# Altium PCB 400236.PcbDoc (part 4 of 5)
Units mm, origin at the board's own origin, x right, y up, seen from the top; angles counter-clockwise.
Board outline 136.53 x 63.5 mm, 4 copper layers (Top Layer, Mid-Layer 1, Mid-Layer 2, Bottom Layer), stack 1.505 mm thick; 340 components, 230 nets, 1369 pads, 1292 vias.
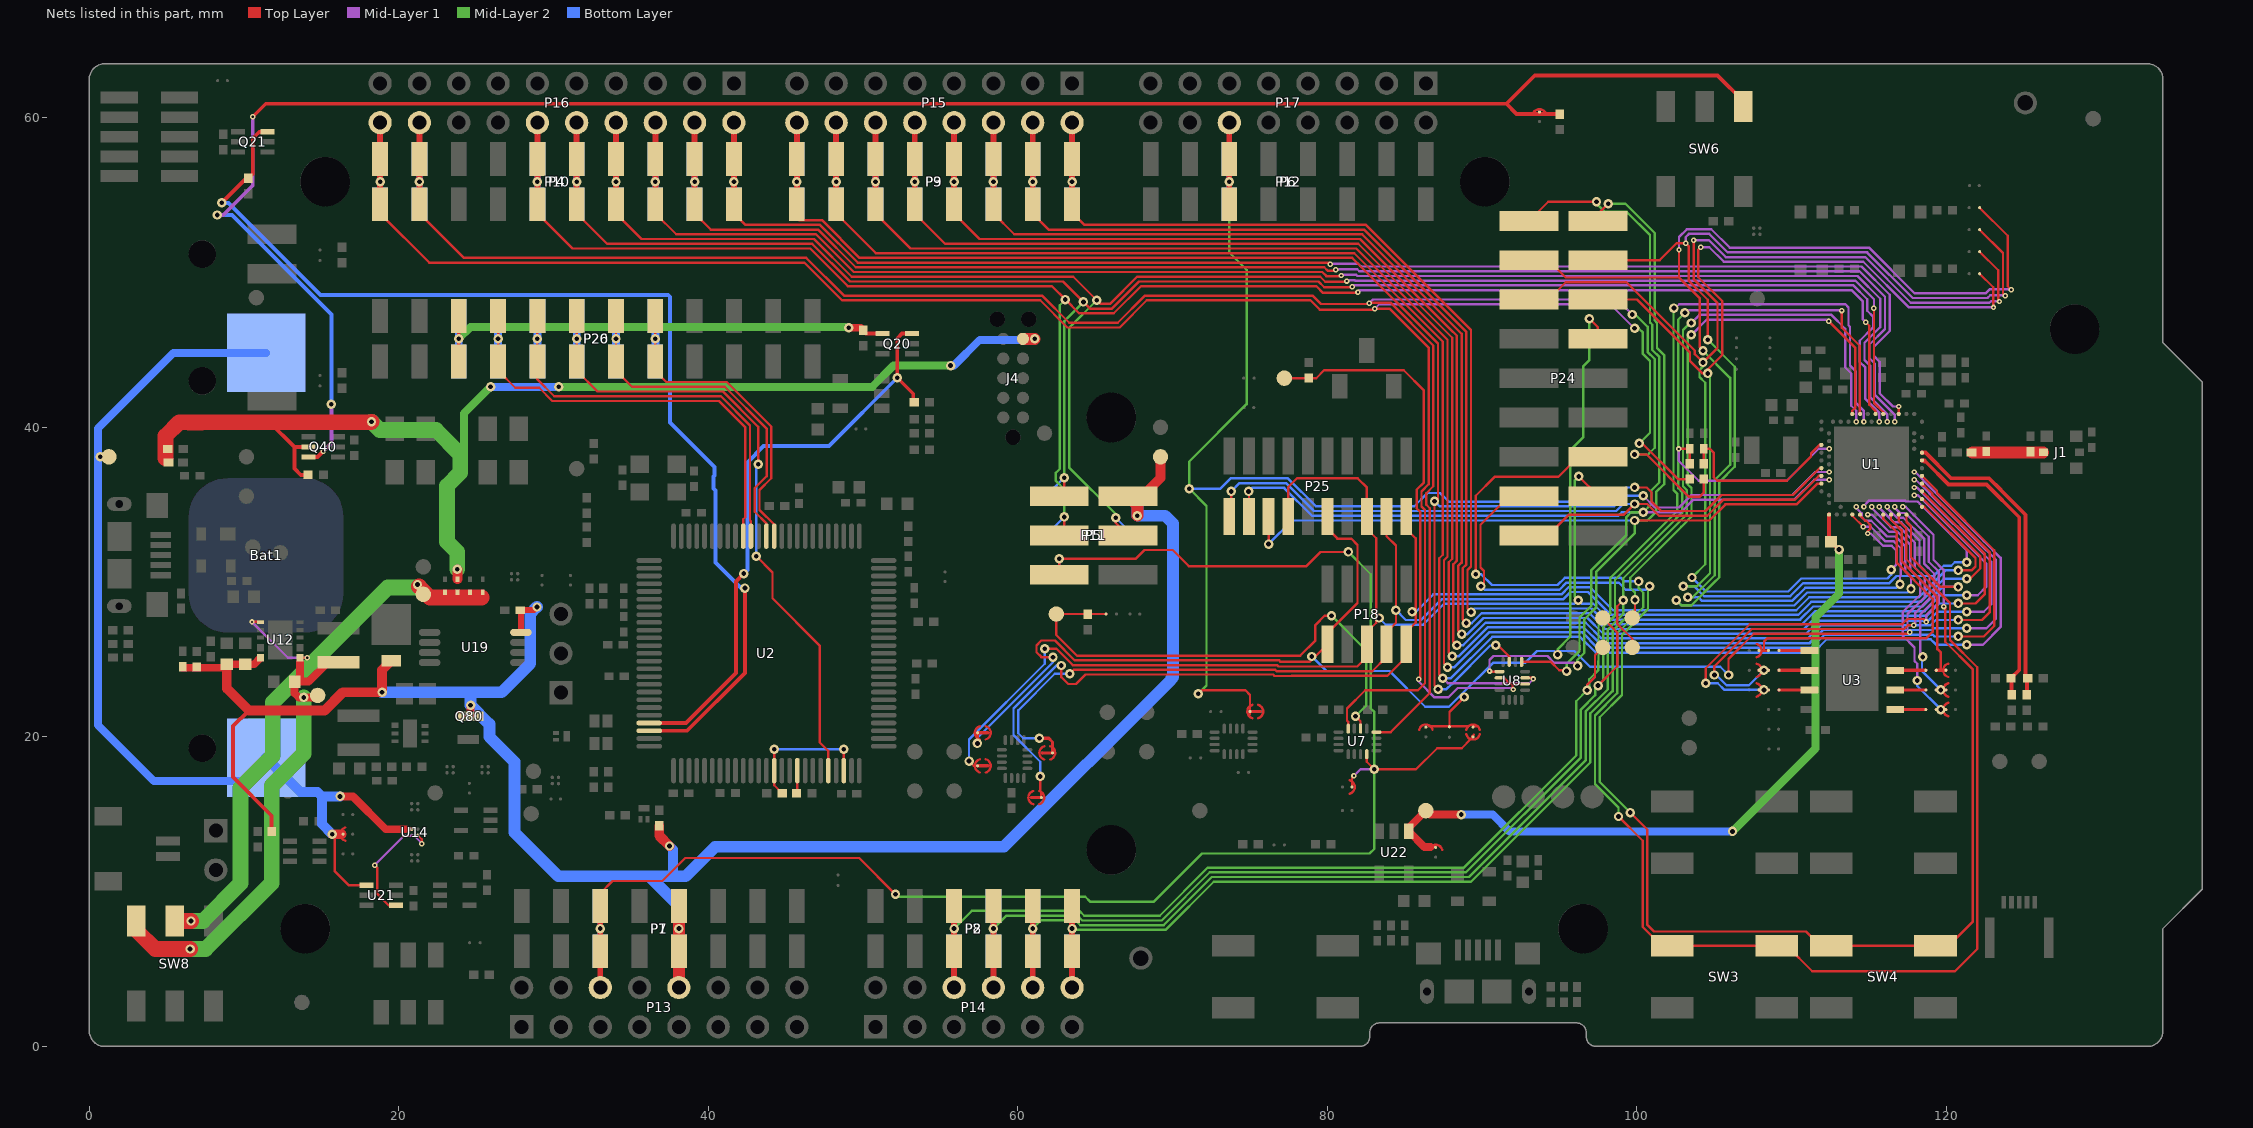
[diagram p6: the nets of this part, all layers, seen from the top]

## Via types
v1: diameter 0.61, hole 0.305, Top Layer to Bottom Layer, tented both sides, 1088 vias
v2: diameter 0.35, hole 0.15, Top Layer to Mid-Layer 1, tented both sides, 180 vias
v3: diameter 0.61, hole 0.305, Top Layer to Bottom Layer, 24 vias

## Nets (pads, with @x,y where several pads share a name; then routed paths per layer and width w, separated by ;. In a path a pad name is that pad's centre, name@x,y a point inside that pad or via, vN(x,y) a via of type N, cw(c..) or ccw(c..) an arc to the next point about the centre after c; other vN are vias at no path point) (continued)
P0.08: P6.6 P12.6 P17.12 SB52.1 U1.N1 | length 93.5
  Top Layer w0.15: 110.082,35.636 111.814,37.367 U1.N1@111.914,37.367
  Top Layer w0.152: v1(71.653,22.784) 71.884,23.014 74.7,23.014 74.999,22.716 74.999,21.463 ; v1(99.847,36.119) 100.627,36.119 100.94,35.806 100.94,35.204 101.548,34.595 104.42,34.595 105.462,35.636 110.082,35.636
  Top Layer w0.381: P6.6@73.66,54.712 v1(73.66,55.88) P6.6@73.66,57.345 P17.12@73.66,59.69
  Mid-Layer 2 w0.152: v1(71.653,22.784) 72.187,23.317 72.187,34.925 v1(71.069,36.043) 71.069,37.794 74.778,41.503 74.778,50.19 73.66,51.308 v1(73.66,55.88)
  Bottom Layer w0.152: v1(71.069,36.043) 73.083,36.043 73.744,36.703 77.452,36.703 79.256,34.9 85.606,34.9 86.469,35.763 87.277,35.763 87.835,35.204 98.405,35.204 99.319,36.119 v1(99.847,36.119)
  Bottom Layer w0.381: P12.6@73.66,54.415 v1(73.66,55.88) P12.6@73.66,57.345
P0.09/NFC1: R43.2 R44.2 U1.L24 | length 19.6
  Top Layer w0.25: U1.L24@118.414,37.867 118.569,37.867 118.569,37.782 118.655,37.782 120.125,36.311 122.585,36.311 124.699,34.197 124.699,24.33 R43.2@124.169,23.8 124.206,23.762 R44.2@124.206,22.725
P0.10/NFC2: R45.2 R46.2 U1.J24 | length 20
  Top Layer w0.25: U1.J24@118.414,38.367 118.638,38.367 120.292,36.714 122.751,36.714 123.484,35.981 123.484,35.971 125.101,34.354 125.101,23.95 R45.2@125.251,23.8 ; R46.2@125.197,22.725 R45.2@125.197,23.745
P0.11: P24.1 P25.18 U1.T2 U8.5 | length 84.7
  Top Layer w0.152: v1(74.905,35.865) 74.93,35.839 P25.18@74.93,34.245 ; U8.5@92.548,24.847 94.437,24.847 94.976,24.308 95.402,24.308 v1(95.453,24.257) ; P24.1@93.027,53.34 94.272,54.585 v1(97.384,54.585)
  Mid-Layer 1 w0.152: v1(100.406,34.519) 102.84,34.519 103.653,35.331 110.179,35.331 111.465,36.617 v2(112.414,36.617)
  Mid-Layer 2 w0.152: v1(95.453,24.257) 95.453,24.714 96.291,25.552 96.291,27.72 97.053,28.482 97.053,30.784 99.314,33.045 99.314,34.206 99.626,34.519 v1(100.406,34.519) 100.937,35.05 100.937,35.945 101.448,36.455 101.448,44.547 100.99,45.004 100.99,46.627 100.838,46.78 100.838,52.426 99.34,53.924 97.925,53.924 97.384,54.465 v1(97.384,54.585)
  Bottom Layer w0.152: v1(74.905,35.865) 75.133,36.093 77.2,36.093 79.003,34.29 98.784,34.29 99.012,34.519 v1(100.406,34.519)
P0.12: P24.2 P25.16 U1.U1 U8.9 | length 82.8
  Top Layer w0.15: 110.16,35.027 110.315,35.027 111.656,36.367 U1.U1@111.914,36.367
  Top Layer w0.152: v1(76.2,32.461) P25.16@76.2,34.245 ; v2(90.475,24.257) 90.51,24.222 U8.9@91.123,24.222 ; P24.2@97.472,53.34 97.472,53.784 v1(98.146,54.458) ; v1(99.847,33.985) 104.673,33.985 105.714,35.027 110.16,35.027
  Mid-Layer 1 w0.152: v2(90.475,24.257) 90.475,24.97 90.73,25.226 94.213,25.226 94.648,24.79 95.961,24.79 v1(96.164,24.587)
  Mid-Layer 2 w0.152: v1@96.139,24.587 96.139,24.969 96.596,25.426 96.596,27.594 97.358,28.356 97.358,30.658 99.847,33.147 v1(99.847,33.985) 100.686,33.985 101.24,34.539 101.24,35.819 101.752,36.332 101.752,44.673 101.295,45.13 101.295,46.754 101.143,46.906 101.143,52.553 99.238,54.458 v1(98.146,54.458)
  Bottom Layer w0.152: v1(76.2,32.461) 77.724,33.985 v1(99.847,33.985)
P0.13: P24.3 SB5.1 U1.AD8 | length 86
  Top Layer w0.152: P24.3@93.497,50.8 94.285,50.8 95.402,49.682 102.718,49.682 ; v2(102.718,51.486) 102.718,49.682 ; v1(104.267,44.958) 104.046,45.179 104.046,48.354 102.718,49.682 ; U1.AD8@113.914,34.367 113.914,34.295 v2(114.63,33.579) ; SB5.1@122.139,54.197 123.952,52.384 123.952,49.124 v2(124.181,48.895)
  Mid-Layer 1 w0.152: v2(102.718,51.486) 102.718,52.299 103.226,52.807 104.8,52.807 105.994,51.613 114.99,51.613 117.944,48.659 122.522,48.659 122.778,48.915 124.16,48.915 v2(124.181,48.895) ; v2(114.63,33.579) 115.102,33.579 116.03,32.651 116.578,32.651 117.041,32.188 117.041,30.427 116.992,30.378 v1(116.992,29.87)
  Mid-Layer 2 w0.152: v1(103.276,29.032) 103.607,29.032 105.022,30.447 105.022,36.597 106.017,37.592 106.017,43.2 104.267,44.95 v1(104.267,44.958)
  Bottom Layer w0.152: v1(103.276,29.032) 103.97,29.032 104.211,28.792 110.022,28.792 110.402,29.171 110.419,29.171 110.882,29.635 116.757,29.635 v1(116.992,29.87)
P0.14: P24.4 SB6.1 U1.AC9 | length 84.1
  Top Layer w0.152: P24.4@97.472,50.8 101.461,50.8 102.553,51.892 v2(103.149,51.892) 103.353,51.689 103.353,49.468 104.572,48.249 v1(104.572,45.669) ; SB6.1@122.139,52.774 123.647,51.266 123.647,48.666 v2(123.8,48.514)
  Mid-Layer 1 w0.152: v2(103.149,51.892) 103.149,52.299 103.352,52.502 104.674,52.502 105.868,51.308 114.867,51.308 117.818,48.357 122.647,48.357 122.825,48.534 123.779,48.534 v2(123.8,48.514) ; v2(114.164,34.867) 114.164,34.8 114.512,34.451 114.512,34.201 114.747,33.966 115.142,33.966 116.155,32.953 116.703,32.953 117.343,32.313 117.343,30.699 117.704,30.338 v1(117.704,29.566)
  Mid-Layer 2 w0.152: v1(102.54,28.829) 102.868,28.501 103.507,28.501 104.978,29.972 104.978,29.976 105.324,30.322 105.324,36.471 106.32,37.467 106.32,43.921 v1(104.572,45.669)
  Bottom Layer w0.152: v1(102.54,28.829) 102.88,28.489 110.164,28.489 111.008,29.333 117.471,29.333 v1(117.704,29.566)
P0.15: P24.5 SB7.1 U1.AD10 | length 81.9
  Top Layer w0.152: P24.5@93.027,48.26 94.285,48.26 95.402,49.378 99.314,49.378 103.734,44.958 103.734,44.737 104.267,44.204 v1(104.267,44.196) 105.207,45.136 105.207,48.034 103.657,49.584 v2(103.657,52.095) ; U1.AD10@114.414,34.367 114.414,34.3 114.747,33.966 114.81,33.966 115.062,33.714 115.062,33.435 114.91,33.282 v2(114.91,33.147) ; SB7.1@122.139,51.352 123.342,50.149 123.342,48.209 v2(123.419,48.133)
  Mid-Layer 1 w0.152: v2(103.657,52.095) 104.649,52.095 105.742,51.003 114.744,51.003 117.693,48.054 122.773,48.054 122.871,48.153 123.398,48.153 v2(123.419,48.133) ; v2(114.91,33.147) 115.106,33.147 115.905,32.348 116.452,32.348 116.738,32.063 116.738,31.115 v1(116.434,30.81)
  Mid-Layer 2 w0.152: v1(103.556,30.302) 104.417,31.163 104.417,42.889 104.041,43.265 104.041,43.705 104.267,43.931 v1(104.267,44.196)
  Bottom Layer w0.152: v1(103.556,30.302) 104.462,29.396 109.772,29.396 110.615,30.24 116.183,30.24 116.434,30.49 v1(116.434,30.81)
P0.16: P24.6 SB8.1 U1.AC11 | length 85.2
  Top Layer w0.152: P24.6@97.472,48.26 100.011,48.26 103.429,44.842 103.429,44.28 104.224,43.485 v1(104.572,43.485) 104.572,43.746 105.504,44.679 105.504,48.158 103.962,49.7 103.962,51.486 v2(104.115,51.638) ; SB8.1@122.139,49.93 123.015,49.054 123.015,47.775 v2(123.038,47.752)
  Mid-Layer 1 w0.152: v2(104.115,51.638) 104.676,51.638 105.615,50.698 114.622,50.698 117.568,47.752 v2(123.038,47.752) ; v2(114.664,34.867) 114.664,34.935 114.997,35.269 117.33,35.269 117.382,35.216 118.128,35.216 118.277,35.067 121.31,32.034 v1(121.31,31.293)
  Mid-Layer 2 w0.152: v1(102.997,29.743) 103.89,29.743 104.719,30.573 104.719,43.337 v1(104.572,43.485)
  Bottom Layer w0.152: v1(102.997,29.743) 103.687,29.743 104.336,29.094 109.897,29.094 110.74,29.937 116.308,29.937 116.772,30.401 119.157,30.401 119.817,31.062 120.3,31.062 120.531,31.293 v1(121.31,31.293)
P0.17: SB13.1 SB23.1 U1.AD12 | length 16.6
  Top Layer w0.203: SB13.1@119.337,21.768 v1(119.634,21.768) SB23.1@119.957,21.768
  Mid-Layer 1 w0.152: v2(114.914,34.367) 115.169,34.367 116.28,33.256 116.828,33.256 117.646,32.438 117.646,30.824 118.3,30.17 118.3,29.189 117.178,28.067 117.178,26.535 117.935,25.779 117.935,24.901 118.11,24.725 v1(118.11,23.647)
  Bottom Layer w0.152: v1(118.11,23.647) 118.11,23.292 v1(119.634,21.768)
P0.18/RESET: P18.10 P24.8 P25.10 SB42.2 SB44.2 SB45.2 SB56.1 U1.AC13 | length 123.7
  Top Layer w0.152: v1(62.272,25.155) 61.517,25.155 61.199,25.473 61.199,25.915 61.512,26.227 62.395,26.227 63.678,24.945 76.877,24.945 76.963,24.858 78.878,24.858 P18.10@80.01,25.99 80.01,26.717 81.94,28.647 81.94,32.41 81.534,32.816 80.645,32.816 80.01,33.452 P25.10@80.01,34.245 ; 86.589,20.683 86.668,20.683 SB42.2@87.884,20.683 ; v1(88.849,22.581) 87.884,21.615 SB42.2@87.884,20.683 ; 89.1,20.683 SB42.2@87.884,20.683 ; SB44.2@89.408,20.683 89.716,20.683 ; v1(96.926,47.015) 97.472,46.469 P24.8@97.472,45.72 ; v1(105.918,24.003) 105.918,25.044 107.544,26.67 117.526,26.67 v2(117.627,26.772)
  Top Layer w0.203: 57.396,19.916 SB56.1@57.396,20.269
  Mid-Layer 1 w0.152: v2(115.164,34.867) 115.164,34.8 116.406,33.558 116.954,33.558 117.948,32.564 117.948,30.949 118.602,30.295 118.602,29.063 117.48,27.941 117.48,26.919 v2(117.627,26.772)
  Mid-Layer 2 w0.152: v1(94.869,25.324) 94.869,25.658 95.682,26.471 95.682,38.516 96.52,39.354 96.52,43.942 96.926,44.348 v1(96.926,47.015)
  Bottom Layer w0.152: v1(57.389,19.583) 57.389,19.949 62.272,24.832 v1(62.272,25.155) ; v1(78.994,25.197) 79.934,24.257 84.01,24.257 86.322,21.946 87.856,21.946 v1@88.67,22.76 ; v1(88.849,22.581) v1@88.67,22.76 ; v1(94.869,25.324) 94.64,25.552 93.539,25.552 92.774,24.787 90.697,24.787 v1@88.67,22.76 ; v1@94.869,25.552 95.95,25.552 96.964,24.539 105.382,24.539 v1(105.918,24.003)
P0.19: SB11.1 SB21.1 U1.AC15 | length 28.7
  Top Layer w0.152: v1(105.004,24.003) 105.004,24.562 107.417,26.975 117.263,26.975 117.504,27.216 v2(117.881,27.216)
  Top Layer w0.203: SB21.1@107.881,24.308 108.056,24.308 v1(108.204,24.308) SB11.1@108.501,24.308
  Mid-Layer 1 w0.152: v2(115.664,34.867) 115.664,34.8 116.603,33.86 117.079,33.86 118.25,32.689 118.25,31.074 118.905,30.42 118.905,28.938 117.991,28.024 117.991,27.325 v2(117.881,27.216)
  Bottom Layer w0.152: v1(105.004,24.003) 105.122,24.003 105.783,23.343 107.239,23.343 v1(108.204,24.308)
P0.20: SB12.1 SB22.1 U1.AD16 | length 21.3
  Top Layer w0.152: SB22.1@107.881,25.578 108.204,25.578 ; SB12.1@108.501,25.578 108.204,25.578 ; U1.AD16@115.914,34.367 115.914,34.099 116.792,33.221 116.792,32.004 116.794,32.002 116.794,31.234 119.108,28.92 119.108,26.805 118.669,26.365 108.41,26.365 108.204,26.16 108.204,25.578
P0.21: SB14.1 SB24.1 U1.AC17 | length 14.9
  Top Layer w0.203: SB14.1@119.337,23.038 v1(119.634,23.038) SB24.1@119.957,23.038
  Mid-Layer 1 w0.152: v2(116.164,34.867) 116.164,34.8 116.801,34.163 117.204,34.163 118.553,32.814 118.553,31.2 119.207,30.545 119.207,28.813 118.293,27.899 118.293,25.293 118.415,25.171 v1@118.44,25.197
  Bottom Layer w0.152: v1@118.415,25.171 118.415,24.257 v1(119.634,23.038)
  other v1: 118.466,25.171
P0.22: SB15.1 SB25.1 U1.AD18 | length 12
  Top Layer w0.152: U1.AD18@116.414,34.367 116.414,34.03 117.096,33.347 117.096,31.359 119.411,29.045 119.411,25.674 119.634,25.451 119.634,24.308
  Top Layer w0.203: SB15.1@119.337,24.308 119.634,24.308 SB25.1@119.957,24.308
P0.23: SB10.1 SB20.1 U1.AC19 | length 30.3
  Top Layer w0.152: v1(104.445,23.47) 104.445,24.434 107.29,27.28 117.14,27.28 117.478,27.617 118.509,27.617 v2(118.694,27.432)
  Top Layer w0.203: SB20.1@107.881,23.038 v1(108.204,23.038) SB10.1@108.501,23.038
  Mid-Layer 1 w0.152: v2(116.664,34.867) 116.664,34.8 116.998,34.465 117.329,34.465 118.855,32.939 118.855,31.325 119.509,30.671 119.509,28.688 118.694,27.872 v2(118.694,27.432)
  Bottom Layer w0.152: v1(104.445,23.47) 105.225,23.47 105.656,23.038 v1(108.204,23.038)
P0.24: P24.14 SW3.2 U1.AD20 | length 103.7
  Top Layer w0.152: v1(89.586,30.505) 89.586,35.585 90.805,36.805 94.92,36.805 96.215,38.1 P24.14@97.472,38.1 ; v1(98.806,14.859) 100.37,13.295 100.37,7.72 101.588,6.502 SW3.2@102.278,6.502 SW3.2@109.028,6.502 109.691,6.502 111.328,4.864 120.548,4.864 121.99,6.305 121.99,24.503 120.221,26.272 120.221,28.663 117.401,31.482 117.401,33.473 116.914,33.961 U1.AD20@116.914,34.367
  Mid-Layer 2 w0.152: v1(98.806,14.859) 98.806,15.447 97.29,16.963 97.29,21.394 98.73,22.834 98.73,26.71 98.977,26.957 98.98,26.957 100.404,28.38 100.404,29.319 100.101,29.621 v1(100.101,30.048)
  Bottom Layer w0.152: v1(89.586,30.505) 89.941,30.505 90.627,29.82 94.871,29.82 95.328,30.277 98.948,30.277 99.177,30.048 v1(100.101,30.048)
P0.25: P24.15 SW4.2 U1.AC21 | length 95
  Top Layer w0.152: v1(89.916,29.743) 90.119,29.947 90.119,30.726 89.891,30.955 89.891,33.706 91.745,35.56 P24.15@93.027,35.56 ; v1(99.568,15.113) 100.675,14.006 100.675,7.846 101.09,7.43 110.921,7.43 111.85,6.502 SW4.2@112.54,6.502 SW4.2@119.29,6.502 120.137,6.502 121.685,8.049 121.685,24.38 119.918,26.147 119.918,28.316 v2(119.812,28.423) ; v2@119.812,28.448 v2@119.825,28.435
  Mid-Layer 1 w0.152: v2(117.164,34.867) 117.355,34.867 119.158,33.065 119.158,31.45 119.812,30.796 v2(119.812,28.423)
  Mid-Layer 2 w0.152: v1(99.568,15.113) 97.595,17.086 97.595,21.268 99.035,22.708 99.035,26.584 100.711,28.26 100.711,29.642 v1(100.813,29.743)
  Bottom Layer w0.152: v1(89.916,29.743) 90.145,29.515 94.997,29.515 95.455,29.972 98.822,29.972 99.279,29.515 100.584,29.515 v1(100.813,29.743)
P0.26: C51.2 R1.2 U1.G1 | length 11.4
  Top Layer w0.15: 109.55,36.551 109.674,36.551 109.675,36.552 111.244,38.12 111.244,38.214
  Top Layer w0.152: R1.2@104.318,37.66 C51.2@104.318,38.616 104.716,38.616 104.953,38.379 104.953,36.779 105.181,36.551 109.55,36.551 ; 111.244,38.214 111.244,38.32 111.791,38.867 U1.G1@111.914,38.867
P0.27: C52.1 R2.2 U1.H2 | length 13.5
  Top Layer w0.152: v2(102.692,38.608) 102.7,38.616 C52.1@103.403,38.616 R2.2@103.403,37.66
  Mid-Layer 1 w0.152: v2(102.692,38.608) 102.692,37.846 103.988,36.551 109.674,36.551 111.741,38.617 v2@112.378,38.617
  other v2: 112.414,38.617
P0.28/AIN4: P2.3 P8.3 P14.6 TP44.1 U1.B11 | length 107.4
  Top Layer w0.152: v1(96.774,23.012) 96.774,23.354 97.285,23.865 97.285,25.276 TP44.1@97.79,25.781
  Top Layer w0.381: P14.6@55.88,3.81 P2.3@55.88,6.155 v1(55.88,7.62) P2.3@55.88,9.085
  Mid-Layer 1 w0.152: v1@102.438,47.658 102.733,47.953 113.466,47.953 113.665,47.754 113.665,46.598 113.767,46.496 113.767,43.993 114.151,43.608 114.151,41.579 114.664,41.067 v2(114.664,40.367)
  Mid-Layer 2 w0.152: v1(55.88,7.62) 57.023,8.763 63.973,8.763 64.289,8.448 69.164,8.448 72.273,11.557 88.824,11.557 96.071,18.804 96.071,22.31 v1(96.774,23.012) 96.915,23.153 96.915,23.728 97.506,24.319 97.506,24.887 97.511,24.892 97.511,27.215 98.273,27.977 98.273,30.279 102.614,34.62 102.614,35.704 102.36,35.958 102.36,42.339 102.362,42.342 102.362,47.683 v1(102.387,47.709)
  Bottom Layer w0.381: P8.3@55.88,6.155 v1(55.88,7.62) P8.3@55.88,9.085
P0.29/AIN5: P2.4 P8.4 P14.8 TP45.1 U1.A10 | length 106
  Top Layer w0.152: v1(97.485,23.317) 98.73,24.562 98.73,26.746 TP45.1@97.79,27.686 ; v2(113.233,47.549) 113.233,46.445 114.397,45.281 114.397,40.884 U1.A10@114.414,40.867 ; v2@113.309,47.549 v2@113.309,47.574
  Top Layer w0.381: P14.8@58.42,3.81 P2.4@58.42,6.155 v1(58.42,7.62) P2.4@58.42,9.085
  Mid-Layer 1 w0.152: v1(103.099,47.404) 103.269,47.574 v2@113.233,47.574
  Mid-Layer 2 w0.152: v1(58.42,7.62) 59.258,8.458 63.847,8.458 64.162,8.143 69.29,8.143 72.399,11.252 88.95,11.252 96.376,18.678 96.376,21.773 97.305,22.702 97.305,23.137 v1(97.485,23.317) 97.815,23.647 97.815,27.089 98.577,27.851 98.577,30.153 102.54,34.115 102.54,34.119 102.916,34.495 102.916,35.829 102.667,36.078 102.667,46.972 v1(103.099,47.404)
  Bottom Layer w0.381: P8.4@58.42,6.155 v1(58.42,7.62) P8.4@58.42,9.652
P0.30/AIN6: P2.5 P8.5 P14.10 TP46.1 U1.B9 | length 101.3
  Top Layer w0.152: v1(99.111,28.829) 98.73,28.448 98.73,27.305 99.695,26.34 TP46.1@99.695,25.781
  Top Layer w0.381: P14.10@60.96,3.81 P2.5@60.96,6.155 v1(60.96,7.62) P2.5@60.96,9.085
  Mid-Layer 1 w0.152: v1(103.505,46.744) 104.033,47.272 112.56,47.272 113.462,46.37 113.462,43.867 113.846,43.482 113.846,41.399 114.164,41.081 v2(114.164,40.367)
  Mid-Layer 2 w0.152: v1(60.96,7.62) 61.493,8.153 63.721,8.153 64.036,7.838 69.417,7.838 72.526,10.947 89.154,10.947 96.681,18.474 96.681,21.647 98.12,23.086 98.12,26.962 99.111,27.953 v1(99.111,28.829) 99.111,30.255 103.218,34.363 103.218,35.954 102.972,36.201 102.972,46.301 103.541,46.871 v1@103.657,46.871
  Bottom Layer w0.381: P8.5@60.96,6.155 v1(60.96,7.62) P8.5@60.96,9.652
P0.31/AIN7: P2.6 P8.6 P14.12 TP47.1 U1.A8 | length 94.5
  Top Layer w0.152: TP47.1@99.695,27.686 99.873,27.864 v1(99.873,28.854) ; v2@112.446,46.863 112.446,46.801 114.092,45.155 114.092,41.256 113.914,41.077 U1.A8@113.914,40.867
  Top Layer w0.381: P14.12@63.5,3.81 P2.6@63.5,6.155 v1(63.5,7.62) P2.6@63.5,9.085
  Mid-Layer 1 w0.152: v1@103.53,46.109 103.657,46.109 104.513,46.965 112.344,46.965 v2@112.446,46.863
  Mid-Layer 2 w0.152: v1(63.5,7.62) 63.587,7.533 69.543,7.533 72.652,10.643 89.28,10.643 96.986,18.348 96.986,21.521 98.425,22.96 98.425,26.836 99.873,28.284 v1(99.873,28.854) 99.873,29.335 99.57,29.637 99.57,30.284 102.868,33.581 102.868,33.584 103.521,34.237 103.521,36.08 103.274,36.326 103.274,40.968 103.276,40.97 103.276,45.855 v1@103.53,46.109 ; v1@103.594,46.045 v1@103.657,46.109
  Bottom Layer w0.381: P8.6@63.5,6.155 v1(63.5,7.62) P8.6@63.5,9.085
  other v1: 103.505,45.982
  other v2: 112.395,46.863
P1.00: P18.6 P24.16 P25.6 P25.14 SB57.1 U1.AD22 | length 106.4
  Top Layer w0.152: v1(56.845,18.44) 57.15,18.136 57.222,18.136 SB57.1@57.396,18.136 ; v1(61.733,25.694) 62.498,25.694 63.552,24.64 76.75,24.64 76.837,24.554 81.932,24.554 82.55,25.171 P18.6@82.55,25.99 82.55,26.773 83.159,27.381 83.159,32.843 82.55,33.452 P25.6@82.55,34.245 82.55,36.119 81.952,36.716 78.042,36.716 77.47,36.144 P25.14@77.47,34.245 ; v1(96.241,36.83) P24.16@97.472,35.598 ; U1.AD22@117.414,34.367 117.414,33.892 117.704,33.602 117.704,31.607 119.618,29.693 v1(120.752,29.693)
  Mid-Layer 2 w0.152: v1(96.215,28.829) 95.987,29.058 95.987,36.576 v1(96.241,36.83)
  Bottom Layer w0.152: v1(56.845,18.44) 56.845,19.837 61.738,24.73 61.738,25.689 v1(61.733,25.694) ; v1(83.337,27.686) 83.768,27.254 86.182,27.254 87.528,28.6 95.961,28.6 ; v1(96.215,28.829) 96.444,28.6 97.179,28.6 98.2,27.58 106.02,27.58 106.022,27.582 110.54,27.582 111.383,28.425 118.464,28.425 119.731,29.693 v1(120.752,29.693)
P1.01: P3.1 P9.1 P15.2 U1.Y23 | length 99.5
  Top Layer w0.152: P3.1@63.5,54.415 63.5,53.899 64.313,53.086 82.493,53.086 89.281,46.298 89.281,31.013 89.052,30.785 89.052,28.296 v1(89.281,28.067)
  Top Layer w0.381: P3.1@63.5,54.415 v1(63.5,55.88) P3.1@63.5,57.345 P15.2@63.5,59.69
  Mid-Layer 1 w0.152: v2(117.914,35.617) 118.154,35.617 122.58,31.191 122.58,29.718 122.022,29.159 v1(121.31,29.159)
  Bottom Layer w0.152: v1(89.281,28.067) 89.51,28.296 97.056,28.296 98.074,27.277 107.694,27.277 107.696,27.28 110.665,27.28 111.509,28.123 118.589,28.123 119.625,29.159 v1(121.31,29.159)
  Bottom Layer w0.381: P9.1@63.5,53.807 v1(63.5,55.88) P9.1@63.5,57.345
P1.02: P3.2 P9.2 P15.4 U1.W24 | length 102.5
  Top Layer w0.152: P3.2@60.96,54.415 60.96,53.797 61.976,52.781 82.367,52.781 88.976,46.172 88.976,31.14 88.748,30.911 88.748,27.584 v1(88.976,27.356) ; U1.W24@118.414,35.867 118.431,35.867 118.78,35.519 118.78,35.515 122.479,31.816 122.479,29.235 121.869,28.626 v1(120.752,28.626)
  Top Layer w0.381: P3.2@60.96,54.415 v1(60.96,55.88) P3.2@60.96,57.345 P15.4@60.96,59.69
  Bottom Layer w0.152: v1(88.976,27.356) 89.324,27.356 89.959,27.991 96.933,27.991 97.949,26.975 110.788,26.975 111.634,27.821 118.714,27.821 119.519,28.626 v1(120.752,28.626)
  Bottom Layer w0.381: P9.2@60.96,54.415 v1(60.96,55.88) P9.2@60.96,57.345
P1.03: P3.3 P9.3 P15.6 U1.V23 | length 107.4
  Top Layer w0.152: P3.3@58.42,54.415 58.42,53.823 59.766,52.476 82.241,52.476 88.671,46.046 88.671,31.266 88.443,31.037 88.443,26.873 v1(88.671,26.645)
  Top Layer w0.381: P3.3@58.42,54.415 v1(58.42,55.88) P3.3@58.42,57.345 P15.6@58.42,59.69
  Mid-Layer 1 w0.152: v2(117.914,36.117) 118.085,36.117 122.885,31.317 122.885,28.575 122.403,28.092 v1(121.31,28.092)
  Bottom Layer w0.152: v1(88.671,26.645) 89.052,26.645 90.094,27.686 96.81,27.686 97.826,26.67 110.911,26.67 111.759,27.518 118.839,27.518 119.414,28.092 v1(121.31,28.092)
  Bottom Layer w0.381: P9.3@58.42,54.415 v1(58.42,55.88) P9.3@58.42,57.345
P1.04: P3.4 P9.4 P15.8 U1.U24 | length 111
  Top Layer w0.152: P3.4@55.88,54.415 55.88,53.823 57.531,52.172 82.114,52.172 87.956,46.33 88.367,45.919 88.367,31.392 88.138,31.164 88.138,26.162 v1(88.367,25.933) ; U1.U24@118.414,36.367 118.414,36.307 118.487,36.233 118.565,36.233 119.084,35.714 119.084,35.641 122.783,31.942 122.783,28.041 122.301,27.559 v1(120.752,27.559)
  Top Layer w0.381: P3.4@55.88,54.415 v1(55.88,55.88) P3.4@55.88,57.345 P15.8@55.88,59.69
  Bottom Layer w0.152: v1(88.367,25.933) 88.773,25.933 90.221,27.381 96.687,27.381 97.703,26.365 111.034,26.365 111.885,27.216 118.965,27.216 119.308,27.559 v1(120.752,27.559)
  Bottom Layer w0.381: P9.4@55.88,54.415 v1(55.88,55.88) P9.4@55.88,57.345
P1.05: P3.5 P9.5 P15.10 U1.T23 | length 115.8
  Top Layer w0.152: P3.5@53.34,54.415 53.34,53.823 55.296,51.867 81.988,51.867 88.062,45.793 88.062,31.518 87.833,31.29 87.833,31.013 87.833,26.848 87.833,25.451 v1(88.062,25.222)
  Top Layer w0.381: P3.5@53.34,54.415 v1(53.34,55.88) P3.5@53.34,57.345 P15.10@53.34,59.69
  Mid-Layer 1 w0.152: v2(117.914,36.617) 118.016,36.617 119.684,34.95 119.686,34.95 122.072,32.564 122.072,32.561 123.19,31.444 123.19,27.635 122.58,27.026 v1(121.31,27.026)
  Bottom Layer w0.152: v1(88.062,25.222) 88.493,25.222 90.347,27.076 96.564,27.076 97.58,26.06 111.157,26.06 112.01,26.913 119.09,26.913 119.202,27.026 v1(121.31,27.026)
  Bottom Layer w0.381: P9.5@53.34,54.415 v1(53.34,55.88) P9.5@53.34,57.345
P1.06: P3.6 P9.6 P15.12 U1.R24 | length 119.5
  Top Layer w0.152: P3.6@50.8,54.415 50.8,53.823 53.061,51.562 81.862,51.562 87.757,45.667 87.757,31.645 87.528,31.416 87.528,31.14 87.528,31.115 87.528,26.822 87.528,24.74 v1(87.757,24.511) ; U1.R24@118.414,36.867 118.431,36.867 119.389,35.909 119.389,35.767 123.088,32.068 123.088,27.178 122.403,26.492 v1(120.752,26.492)
  Top Layer w0.381: P3.6@50.8,54.415 v1(50.8,55.88) P3.6@50.8,57.345 P15.12@50.8,59.69
  Bottom Layer w0.152: v1(87.757,24.511) 88.213,24.511 90.473,26.772 96.442,26.772 97.458,25.756 111.28,25.756 112.135,26.611 119.107,26.611 119.225,26.492 v1(120.752,26.492)
  Bottom Layer w0.381: P9.6@50.8,54.415 v1(50.8,55.88) P9.6@50.8,57.345
P1.07: P3.7 P9.7 P15.14 U1.P23 U8.3 | length 130.9
  Top Layer w0.152: P3.7@48.26,54.415 48.26,53.823 50.825,51.257 81.736,51.257 87.452,45.541 87.452,31.771 87.224,31.542 87.224,31.266 87.224,30.989 87.224,24.028 v1(87.452,23.8) ; U8.3@92.773,23.822 93.196,23.822 v2@93.294,23.724
  Top Layer w0.381: P3.7@48.26,54.415 v1(48.26,55.88) P3.7@48.26,57.345 P15.14@48.26,59.69
  Mid-Layer 1 w0.152: v1(87.452,23.8) 87.782,23.47 93.04,23.47 v2@93.294,23.724 ; v2(117.914,37.117) 117.984,37.117 118.515,36.587 118.515,36.552 122.415,32.652 ; v1(121.31,25.959) 122.352,25.959 123.495,27.102 123.495,31.57 122.415,32.649
  Bottom Layer w0.152: v1(87.452,23.8) 87.986,23.8 90.653,26.467 96.319,26.467 97.337,25.448 106.398,25.448 106.401,25.451 111.406,25.451 112.264,26.309 118.975,26.309 119.223,26.06 119.227,26.06 119.328,25.959 v1(121.31,25.959)
  Bottom Layer w0.381: P9.7@48.26,54.415 v1(48.26,55.88) P9.7@48.26,57.345
  other v2: 93.294,23.749
P1.08: P3.8 P9.8 P15.16 U1.P2 U8.7 | length 109.9
  Top Layer w0.152: P3.8@45.72,54.415 45.72,53.543 45.872,53.391 47.339,53.391 49.777,50.952 81.609,50.952 87.147,45.414 v1@87.147,35.23 ; v1(86.919,35.23) 86.919,31.392 86.919,30.863 86.919,23.317 v1(87.147,23.089) ; v1(90.884,25.93) 91.013,25.93 91.748,25.196 U8.7@91.748,24.847
  Top Layer w0.381: P3.8@45.72,54.415 v1(45.72,55.88) P3.8@45.72,57.345 P15.16@45.72,59.69
  Mid-Layer 1 w0.152: v1(100.406,35.585) 101.171,34.821 102.715,34.821 103.53,35.636 110.053,35.636 111.534,37.117 v2(112.414,37.117)
  Bottom Layer w0.152: v1(86.919,35.23) 87.249,34.9 98.531,34.9 99.217,35.585 v1(100.406,35.585) ; v1(87.147,23.089) 87.69,23.089 87.995,23.393 88.01,23.393 90.522,25.905 v1@90.884,25.905
  Bottom Layer w0.381: P9.8@45.72,54.415 v1(45.72,55.88) P9.8@45.72,57.345
P1.09: P24.17 P25.20 U1.R1 | length 51
  Top Layer w0.15: 110.058,35.331 110.203,35.331 111.739,36.867 U1.R1@111.914,36.867
  Top Layer w0.152: P25.20@73.66,33.401 P25.20@73.66,34.245 73.787,34.372 v1(73.787,35.865) ; P24.17@93.027,33.02 94.259,33.02 95.606,34.366 99.162,34.366 v1(99.847,35.052) 100.66,35.052 101.422,34.29 104.546,34.29 105.588,35.331 110.058,35.331
  Bottom Layer w0.152: v1@73.66,35.738 v1(73.787,35.865) 74.32,36.398 77.326,36.398 79.129,34.595 98.658,34.595 99.115,35.052 v1(99.847,35.052)
P1.10: P4.1 P10.1 P16.2 U1.A20 | length 94.7
  Top Layer w0.152: P4.1@41.656,54.415 41.656,53.823 42.393,53.086 47.213,53.086 49.651,50.648 80.061,50.648 v2(80.173,50.535) ; U1.A20@116.914,40.867 v2(116.914,41.351)
  Top Layer w0.381: P4.1@41.656,54.415 v1(41.656,55.88) P4.1@41.656,57.345 P16.2@41.656,59.69
  Mid-Layer 1 w0.152: v2(80.173,50.535) 80.217,50.579 81.994,50.579 82.179,50.394 114.499,50.394 116.327,48.565 116.327,46.229 115.311,45.213 115.311,44.603 115.675,44.24 115.675,42.211 116.534,41.351 v2(116.914,41.351)
  Bottom Layer w0.381: P10.1@41.656,54.415 v1(41.656,55.88) P10.1@41.656,57.345
P1.11: P4.2 P10.2 P16.4 U1.B19 | length 97.2
  Top Layer w0.152: P4.2@39.116,54.415 39.116,53.823 40.157,52.781 47.086,52.781 49.525,50.343 79.795,50.343 80.006,50.131 80.49,50.131 v2(80.533,50.175)
  Top Layer w0.381: P4.2@39.116,54.415 v1(39.116,55.88) P4.2@39.116,57.345 P16.4@39.116,59.69
  Mid-Layer 1 w0.152: v2(80.533,50.175) 80.577,50.219 81.922,50.219 82.052,50.089 114.372,50.089 116.023,48.439 116.023,46.356 115.007,45.34 115.007,44.477 115.37,44.113 115.37,42.084 116.664,40.791 v2(116.664,40.367)
  Bottom Layer w0.381: P10.2@39.116,54.415 v1(39.116,55.88) P10.2@39.116,57.345
P1.12: P4.3 P10.3 P16.6 U1.B17 | length 99.3
  Top Layer w0.152: P4.3@36.576,54.415 36.576,53.823 37.922,52.476 46.96,52.476 49.399,50.038 79.669,50.038 79.935,49.771 80.85,49.771 v2(80.893,49.815)
  Top Layer w0.381: P4.3@36.576,54.415 v1(36.576,55.88) P4.3@36.576,57.345 P16.6@36.576,59.69
  Mid-Layer 1 w0.152: v2(80.893,49.815) 80.937,49.859 81.851,49.859 81.926,49.784 114.246,49.784 115.718,48.312 115.718,46.482 114.702,45.466 114.702,44.351 115.065,43.987 115.065,41.958 116.164,40.86 v2(116.164,40.367)
  Bottom Layer w0.381: P10.3@36.576,54.415 v1(36.576,55.88) P10.3@36.576,57.345
P1.13: P4.4 P5.4 P10.4 P11.4 P16.8 U1.A16 | length 121
  Top Layer w0.152: P4.4@34.036,54.415 34.036,53.823 35.687,52.172 46.834,52.172 49.272,49.733 63.576,49.733 v1(65.1,48.209) 65.329,47.981 65.947,47.981 67.7,49.733 79.542,49.733 79.864,49.412 81.209,49.412 v2(81.253,49.455) ; v1(66.319,34.163) 66.319,33.82 P5.4@67.119,33.02 ; v2(115.291,47.701) 115.311,47.68 115.311,41.584 115.914,40.982 U1.A16@115.914,40.867
  Top Layer w0.381: P4.4@34.036,54.415 v1(34.036,55.88) P4.4@34.036,57.345 P16.8@34.036,59.69
  Mid-Layer 1 w0.152: v2(81.253,49.455) 81.297,49.499 81.78,49.499 81.8,49.479 114.12,49.479 115.316,48.283 115.316,47.727 v2(115.291,47.701)
  Mid-Layer 2 w0.152: v1(65.1,48.209) 65.093,48.209 63.312,46.429 63.312,37.402 66.319,34.394 v1(66.319,34.163)
  Bottom Layer w0.152: v1(66.319,34.163) 67.462,33.02 P11.4@67.722,33.02
  Bottom Layer w0.381: P10.4@34.036,54.415 v1(34.036,55.88) P10.4@34.036,57.345
P1.14: P4.5 P5.1 P10.5 P11.1 P16.10 U1.B15 | length 120.3
  Top Layer w0.152: P4.5@31.496,54.415 31.496,53.823 33.452,51.867 46.708,51.867 49.146,49.428 62.916,49.428 v1(64.237,48.108) 64.668,47.676 66.074,47.676 67.826,49.428 79.416,49.428 79.793,49.052 81.569,49.052 v2(81.613,49.095) ; P5.1@62.674,35.56 62.992,35.878 v1(62.992,36.754)
  Top Layer w0.381: P4.5@31.496,54.415 v1(31.496,55.88) P4.5@31.496,57.345 P16.10@31.496,59.69
  Mid-Layer 1 w0.152: v2(81.613,49.095) 81.692,49.174 113.994,49.174 114.884,48.284 114.884,47.537 115.252,47.169 115.252,46.447 114.397,45.592 114.397,44.225 114.761,43.861 114.761,41.832 115.664,40.929 v2(115.664,40.367)
  Mid-Layer 2 w0.152: v1(62.992,36.754) 63.007,36.769 63.007,46.878 v1(64.237,48.108)
  Bottom Layer w0.152: P11.1@61.473,35.56 P11.1@62.072,35.56 62.072,35.834 v1(62.992,36.754)
  Bottom Layer w0.381: P10.5@31.496,54.415 v1(31.496,55.88) P10.5@31.496,57.345
P1.15: P4.6 P5.3 P10.6 P11.3 P16.12 U1.A14 | length 123.4
  Top Layer w0.152: P4.6@28.956,54.415 28.956,53.823 31.217,51.562 46.581,51.562 49.02,49.124 62.205,49.124 v1(63.068,48.26) 63.957,47.371 66.2,47.371 67.952,49.124 79.29,49.124 79.722,48.692 81.929,48.692 v2(81.973,48.735) ; P5.3@62.674,33.02 62.992,33.338 v1(62.992,34.214) ; v2(114.783,46.787) 115.007,46.563 115.007,41.457 115.414,41.05 U1.A14@115.414,40.867
  Top Layer w0.381: P4.6@28.956,54.415 v1(28.956,55.88) P4.6@28.956,57.345 P16.12@28.956,59.69
  Mid-Layer 1 w0.152: v2(81.973,48.735) 82.107,48.87 113.867,48.87 114.579,48.158 114.579,47.012 v2@114.783,46.809
  Mid-Layer 2 w0.152: v1(62.992,34.214) 62.992,35.999 62.459,36.533 62.459,37.069 62.702,37.313 62.702,47.894 v1(63.068,48.26)
  Bottom Layer w0.152: P11.3@62.072,33.02 62.072,33.294 v1(62.992,34.214)
  Bottom Layer w0.381: P10.6@28.956,54.415 v1(28.956,55.88) P10.6@28.956,57.345
PB5: Q20.3 R23.2 U2.97 | length 38.5
  Top Layer w0.254: U2.97@36.179,20.9 38.553,20.9 41.783,24.13 41.783,30.048 v1(42.291,30.556) ; Q20.3@53.155,46.065 52.525,46.065 52.205,45.745 v1(52.205,43.205) 53.238,42.172 53.238,41.631 R23.2@53.297,41.631
  Bottom Layer w0.254: v1(42.291,30.556) 42.52,30.785 42.52,37.744 43.561,38.786 47.786,38.786 v1(52.205,43.205)
PB6: Q21.3 R27.2 U2.98 | length 71.9
  Top Layer w0.254: v1(8.56,54.508) 10.152,56.101 R27.2@10.287,56.101 10.566,56.38 10.566,58.674 10.988,59.095 Q21.3@11.516,59.095 ; U2.98@36.179,20.4 38.628,20.4 42.367,24.139 v1(42.367,29.616)
  Bottom Layer w0.254: v1(8.56,54.508) 9.007,54.508 14.951,48.565 37.394,48.565 37.516,48.443 37.516,40.31 40.386,37.44 40.386,36.893 40.335,36.842 40.335,36.043 40.462,35.916 40.462,31.267 42.113,29.616 v1(42.367,29.616)
QSPI_C\S\: SB13.2 U3.1 | length 2
  Top Layer w0.203: U3.1@116.689,21.768 SB13.2@118.661,21.768
QSPI_CLK: SB11.2 U3.6 | length 2
  Top Layer w0.203: SB11.2@109.177,24.308 U3.6@111.149,24.308
QSPI_DIO0: SB12.2 U3.5 | length 2
  Top Layer w0.203: SB12.2@109.177,25.578 U3.5@111.149,25.578
QSPI_DIO1: SB14.2 U3.2 | length 2
  Top Layer w0.203: U3.2@116.689,23.038 SB14.2@118.661,23.038
QSPI_DIO2: SB15.2 U3.3 | length 2
  Top Layer w0.203: U3.3@116.689,24.308 SB15.2@118.661,24.308
QSPI_DIO3: SB10.2 U3.7 | length 2
  Top Layer w0.203: SB10.2@109.177,23.038 U3.7@111.149,23.038
RESET_PIN: P1.3 P5.5 P7.3 P11.5 P13.6 SB43.2 SB44.1 U7.4 | length 115
  Top Layer w0.152: P1.3@33.02,9.085 33.02,9.906 33.807,10.693 37.023,10.693 38.506,12.177 49.748,12.177 v1(52.095,9.83) ; P5.5@62.679,30.485 v1(62.679,31.506) 67.6,31.506 68.174,32.08 70.002,32.08 71.044,31.039 78.638,31.039 79.553,31.953 v1(81.356,31.953) ; SB43.2@81.592,16.764 81.592,17.117 81.592,17.356 v2@81.737,17.501 ; U7.4@82.54,18.885 82.54,18.399 v1(83.033,17.907) 85.724,17.907 87.091,19.275 88.675,19.275 89.259,19.859 SB44.1@89.408,20.008 ; SB44.1@89.366,20.049 89.459,20.142
  Top Layer w0.381: P13.6@33.02,3.81 P1.3@33.02,6.155 v1(33.02,7.62) P1.3@33.02,9.085
  Mid-Layer 1 w0.152: v2@81.737,17.501 82.144,17.907 v1(83.033,17.907)
  Mid-Layer 2 w0.152: v1(52.095,9.83) 52.248,9.677 64.352,9.677 64.667,9.362 68.785,9.362 71.894,12.471 82.728,12.471 83.033,12.776 v1(83.033,17.907) 83.033,21.608 82.803,21.837 82.803,30.506 v1(81.356,31.953)
  Bottom Layer w0.152: P11.5@62.679,30.48 v1(62.679,31.506)
  Bottom Layer w0.381: P7.3@33.02,6.155 v1(33.02,7.62) P7.3@33.02,9.085
  other v2: 81.712,17.501
RF: C4.2 C22.1 J1.1 L1.2 | length 4.6
  Top Layer w0.762: L1.2@121.681,38.379 J1.1@126.25,38.379
SCL: P4.10 P10.10 P16.20 R2.1 U7.12 | length 140.7
  Top Layer w0.152: P4.10@18.796,54.415 18.796,53.823 21.971,50.648 46.203,50.648 48.641,48.209 61.442,48.209 63.194,46.457 66.579,46.457 68.331,48.209 78.911,48.209 79.508,47.612 83.009,47.612 v2(83.053,47.656) 84.044,47.656 86.538,45.162 86.538,36.321 86.081,35.864 86.081,34.883 86.309,34.654 86.309,23.47 85.852,23.012 82.448,23.012 81.267,21.831 81.267,21.044 81.34,20.971 U7.12@81.34,20.535 ; v1(100.152,38.964) 100.347,38.964 102.65,36.66 R2.1@103.403,36.66
  Top Layer w0.381: P4.10@18.796,54.415 v1(18.796,55.88) P4.10@18.796,57.345 P16.20@18.796,59.69
  Mid-Layer 1 w0.152: v2(83.053,47.656) 83.352,47.955 98.273,47.955 99.822,46.406 v1(99.847,46.406)
  Mid-Layer 2 w0.152: v1(99.847,46.406) 100.101,46.406 100.381,46.126 100.381,44.751 100.838,44.294 100.838,39.649 v1(100.152,38.964)
  Bottom Layer w0.381: P10.10@18.796,54.415 v1(18.796,55.88) P10.10@18.796,57.345
SDA: P4.9 P10.9 P16.18 R1.1 U7.8 | length 141.5
  Top Layer w0.152: P4.9@21.336,54.415 21.336,53.823 24.206,50.952 46.329,50.952 48.767,48.514 61.568,48.514 63.321,46.761 66.452,46.761 68.205,48.514 79.037,48.514 79.579,47.972 82.649,47.972 v2(82.693,48.016) 82.736,48.059 84.071,48.059 86.843,45.288 86.843,36.195 86.385,35.738 86.385,35.009 86.614,34.78 86.614,22.835 84.089,20.31 U7.8@83.165,20.31 ; v1(99.847,38.252) 100.627,38.252 103.37,35.509 104.041,35.509 104.318,35.786 R1.1@104.318,36.66
  Top Layer w0.381: P4.9@21.336,54.415 v1(21.336,55.88) P4.9@21.336,57.345 P16.18@21.336,59.69
  Mid-Layer 1 w0.152: v2(82.693,48.016) 82.937,48.26 98.73,48.26 v1(99.695,47.295)
  Mid-Layer 2 w0.152: v1(99.695,47.295) 99.892,47.295 100.686,46.501 100.686,44.878 101.143,44.42 101.143,38.684 100.711,38.252 v1(99.847,38.252)
  Bottom Layer w0.381: P10.9@21.336,54.415 v1(21.336,55.88) P10.9@21.336,57.345
SH_GND_DETECT: P20.8 P26.8 U2.62 | length 23.2
  Top Layer w0.152: P20.8@36.576,47.185 P20.8@36.576,44.255 36.576,43.637 37.282,42.931 41.193,42.931 44.069,40.056 44.069,36.711 43.307,35.949 43.307,34.671 44.254,33.724 U2.62@44.254,32.975
  Bottom Layer w0.508: P26.8@36.576,44.255 v1(36.576,45.72) P26.8@36.576,47.185
SH_RESET: P20.7 P26.7 U2.63 | length 25.3
  Top Layer w0.152: P20.7@34.036,47.185 P20.7@34.036,44.255 34.036,43.663 35.072,42.627 41.067,42.627 43.764,39.93 43.764,36.837 43.002,36.075 43.002,34.545 43.754,33.793 U2.63@43.754,32.975
  Bottom Layer w0.508: P26.7@34.036,44.255 v1(34.036,45.72) P26.7@34.036,47.185
SH_SWDCLK: P20.5 P26.5 U2.65 | length 29.2
  Top Layer w0.152: P20.5@28.956,47.185 28.956,43.104 30.048,42.012 40.814,42.012 42.697,40.128 42.697,33.987 42.754,33.931 U2.65@42.754,32.975
  Bottom Layer w0.508: P26.5@28.956,44.255 v1(28.956,45.72) P26.5@28.956,47.185
SH_SWDIO: P20.4 P26.4 U2.66 | length 30.9
  Top Layer w0.152: P20.4@26.416,44.255 26.416,43.67 27.53,42.556 29.072,42.556 29.921,41.707 40.688,41.707 42.393,40.002 42.393,34.2 42.254,34.061 U2.66@42.254,32.975 ; P20.4@26.416,44.348 P20.4@26.416,47.185
  Bottom Layer w0.508: P26.4@26.416,44.255 v1(26.416,45.72) P26.4@26.416,47.185
SH_SWO: P20.6 P26.6 U2.21 | length 43.9
  Top Layer w0.152: P20.6@31.496,47.185 v1(31.496,45.72) P20.6@31.496,44.255 31.496,43.663 32.837,42.322 40.941,42.322 43.231,40.032 v1(43.231,37.617) ; v1(43.104,31.674) 44.145,30.632 44.145,28.955 47.193,25.907 47.193,19.66 47.754,19.099 U2.21@47.754,17.825
  Bottom Layer w0.152: v1(43.104,31.674) 43.104,37.49 v1(43.231,37.617)
  Bottom Layer w0.508: P26.6@31.496,44.255 v1(31.496,45.72) P26.6@31.496,47.185
SH_VTG: P20.3 P26.3 Q20.4 R22.1 | length 36.7
  Top Layer w0.152: P20.3@23.876,44.255 P20.3@23.876,47.185
  Top Layer w0.254: P20.3@23.876,44.255 v1(23.876,45.72) P20.3@23.876,47.185 ; R22.1@49.996,46.271 50.201,46.065 Q20.4@51.255,46.065
  Top Layer w0.508: v1(49.073,46.436) 49.83,46.436 R22.1@49.996,46.271
  Mid-Layer 2 w0.508: v1(23.876,45.72) 24.643,46.487 49.068,46.487 49.073,46.482 v1(49.073,46.436)
  Bottom Layer w0.508: P26.3@23.876,44.255 v1(23.876,45.72) P26.3@23.876,47.185
SHIELD_DETECT: R68.1 SB33.2 TP19.1 U7.10 | length 33.2
  Top Layer w0.152: SB33.2@65.702,27.94 64.524,27.94 R68.1@64.516,27.932 64.508,27.94 TP19.1@62.484,27.94 62.484,26.594 63.828,25.25 78.234,25.25 79.223,26.238 79.223,27.229 79.832,27.838 v1(80.264,27.838) ; v1(81.813,21.336) 82.14,21.009 U7.10@82.14,20.535
  Mid-Layer 2 w0.152: v1(80.264,27.838) 82.499,25.604 82.499,22.021 v1(81.813,21.336)
SWDCLK: P18.4 P25.4 SB55.1 U1.AA24 | length 86.2
  Top Layer w0.152: v1@61.374,19.736 61.392,19.754 v1(61.392,19.914) ; v1(63.349,24.078) 63.607,24.335 76.624,24.335 76.71,24.249 82.897,24.249 83.82,25.171 P18.4@83.82,25.99 83.82,26.773 84.429,27.381 v1(84.429,28.194) 84.429,32.36 83.82,32.968 P25.4@83.82,34.245 ; U1.AA24@118.414,35.367 118.496,35.367 122.174,31.689 122.174,30.886 v1@121.514,30.226
  Top Layer w0.203: v1(61.392,19.914) 62.001,19.914 62.238,19.677 62.238,19.327 SB55.1@62.238,18.974
  Bottom Layer w0.152: v1(61.392,19.914) 60.35,19.914 60.02,20.244 60.02,21.718 62.385,24.083 63.344,24.083 v1(63.349,24.078) ; v1(84.429,28.194) 85.064,27.559 86.056,27.559 87.402,28.905 95.25,28.905 95.707,29.362 96.844,29.362 98.322,27.884 110.415,27.884 111.258,28.728 118.338,28.728 119.837,30.226 v1(121.31,30.226)
SWDIO: P18.2 P25.2 SB54.1 U1.AC24 | length 88.3
  Top Layer w0.152: v1(61.443,17.45) 61.443,16.505 61.493,16.454 61.493,16.111 SB54.1@61.526,16.078 ; v1(62.81,24.616) 62.81,23.862 63.254,23.419 63.754,23.419 64.366,24.03 76.498,24.03 76.589,23.939 77.682,23.939 77.687,23.944 83.863,23.944 85.09,25.171 P18.2@85.09,25.99 85.09,26.773 85.699,27.381 85.699,32.843 85.09,33.452 P25.2@85.09,34.245 ; U1.AC24@118.414,34.867 118.565,34.867 121.869,31.563 121.869,31.012 121.616,30.759 v1(120.752,30.759)
  Bottom Layer w0.152: v1(61.443,17.45) 61.443,18.394 59.715,20.121 59.715,21.845 62.487,24.616 v1(62.81,24.616) ; v1@85.725,28.092 86.843,29.21 95.124,29.21 95.581,29.667 96.967,29.667 98.448,28.187 110.29,28.187 111.133,29.03 118.213,29.03 119.942,30.759 v1(120.752,30.759)
  other v1: 85.471,28.092
TCKOUT: R28.1 U2.14 U2.23 | length 8.9
  Top Layer w0.152: v1(44.254,19.197) 44.254,16.876 R28.1@44.772,16.358 ; v1(48.75,19.197) 48.75,17.837 48.758,17.829 U2.23@48.754,17.825
  Bottom Layer w0.152: v1(44.254,19.197) v1(48.75,19.197)
TMSOUT: R29.1 U2.17 | length 1.4
  Top Layer w0.152: R29.1@45.754,16.385 U2.17@45.754,17.825
TRACE_SW: R4.1 TP23.1 U8.2 U8.10 | length 37.8
  Top Layer w0.152: TP23.1@77.216,43.18 79.273,43.18 79.785,43.691 84.934,43.691 86.233,42.393 86.233,36.448 85.776,35.99 85.776,34.756 86.004,34.528 86.004,23.825 v2(85.903,23.724) ; U8.10@91.123,23.822 91.418,23.822 91.818,23.422 91.973,23.422 ; v2@91.973,23.114 91.973,23.422 ; U8.2@92.773,23.422 91.973,23.422
  Mid-Layer 1 w0.152: v2(85.903,23.724) 85.903,23.579 86.926,22.555 87.808,22.555 88.417,23.165 91.923,23.165 v2@91.999,23.089
  other v2: 91.999,23.063
USB_DETECT: Q40.3 R26.1 SB31.2 SW6.3 | length 130.1
  Top Layer w0.254: v2(10.566,60.071) 11.405,60.909 91.567,60.909 ; Q40.3@14.163,38.085 14.742,38.085 v2(15.113,38.456) ; R26.1@94.996,60.241 94.982,60.255 92.221,60.255 91.567,60.909 ; SW6.3@106.869,60.484 106.869,61.076 105.207,62.738 93.396,62.738 91.567,60.909
  Mid-Layer 1 w0.254: v1(8.28,53.721) 8.661,53.721 10.566,55.626 v2(10.566,60.071) ; v2(15.113,38.456) 15.646,38.989 v1(15.646,41.504)
  Bottom Layer w0.254: v1(8.28,53.721) 9.22,53.721 15.646,47.294 v1(15.646,41.504)
V5V: C81.2 C82.2 C83.2 C85.2 D84.1 P1.5 P5.2 P7.5 P11.2 P13.10 Q80.2 R80.2 R83.1 R93.1 TP36.1 U12.10 U19.8 | length 139.8
  Top Layer w0.254: 10.312,21.717 9.296,20.701 9.296,17.399 11.786,14.91 11.786,13.889 R83.1@11.782,13.886
  Top Layer w0.381: C85.2@27.856,28.194 28.727,28.194 v1(28.931,28.397) ; U19.8@27.893,26.756 C85.2@27.893,28.157
  Top Layer w0.508: C81.2@6.045,24.544 6.045,24.473 C83.2@8.663,24.473 ; C83.2@8.89,24.7 C82.2@10.084,24.7 10.66,24.7 U12.10@11.04,25.079 ; Q80.2@24.639,21.336 v1(24.639,22.046)
  Top Layer w0.635: C83.2@8.89,24.7 8.89,23.139 10.312,21.717 15.215,21.717 16.383,22.885 v1(18.923,22.885) 18.923,24.334 D84.1@19.507,24.918 ; R93.1@36.83,14.257 36.83,13.614 v1(37.49,12.954) ; P5.2@67.119,35.56 68.047,35.56 69.215,36.728 TP36.1@69.215,38.1
  Top Layer w0.762: P13.10@38.1,3.81 P1.5@38.1,6.155 v1(38.1,7.62) P1.5@38.1,9.085 ; P5.2@67.119,35.56 67.722,34.957 v1(67.722,34.296)
  Bottom Layer w0.508: 21.857,22.948 21.92,22.885 ; 24.639,22.81 24.714,22.885
  Bottom Layer w0.635: v1(37.49,12.954) 37.719,12.725 37.719,10.998
  Bottom Layer w0.762: v1(18.923,22.885) 21.92,22.885 24.714,22.885 26.645,22.885 28.499,24.74 28.499,27.965 v1(28.931,28.397) ; 24.639,22.81 v1(24.639,22.046) 25.857,20.828 25.857,20.015 27.47,18.402 27.47,13.83 30.302,10.998 36.187,10.998 ; P7.5@38.1,6.155 v1(38.1,7.62) P7.5@38.1,9.085 36.187,10.998 ; P11.2@67.722,35.56 v1(67.722,34.296) 69.514,34.296 70.028,33.782 70.028,23.868 69.901,23.741 69.901,23.707 59.097,12.903 40.437,12.903 38.532,10.998 37.719,10.998 36.187,10.998
VBAT: Bat1.1 SB35.2 TP26.1 U14.A1 U21.1 | length 64.6
  Top Layer w0.152: v1(15.697,13.716) 15.853,13.561 15.853,11.331 16.755,10.429 U21.1@17.922,10.429
  Top Layer w0.245: 20.498,14.043 U14.A1@20.831,14.043
  Top Layer w0.508: v1(16.205,16.154) 17.043,16.154 19.165,14.033 20.488,14.033
  Top Layer w0.61: v1(15.697,13.716) SB35.2@16.332,13.716
  Bottom Layer w0.508: Bat1.1@11.43,18.654 9.921,17.145 4.191,17.145 0.559,20.777 0.559,39.929 5.446,44.816 Bat1.1@11.43,44.816
  Bottom Layer w0.635: Bat1.1@11.43,18.654 13.65,16.434 14.757,16.434 15.037,16.154 ; v1(15.697,13.716) 15.037,14.376 15.037,16.154 ; v1(16.205,16.154) 15.037,16.154
  other v1: 0.711,38.1
VBAT_EN: U14.B2 U21.4 | length 8.1
  Top Layer w0.152: v2(18.44,11.709) 18.621,11.529 18.621,9.851 19.343,9.129 U21.4@19.822,9.129 ; U14.B2@21.231,13.643 21.488,13.386 v2(21.488,13.106)
  Mid-Layer 1 w0.152: v2(18.44,11.709) 20.345,13.614 21.005,13.614 21.488,13.131 v2(21.488,13.106)
VBOOST_SRC: C80.2 L80.2 SW8.6 TP28.1 U12.1 U12.6 | length 37.2
  Top Layer w0.152: v2(10.516,27.432) 11.056,27.432 U12.6@11.074,27.414 ; U12.1@13.614,25.114 v2(14.09,25.114)
  Top Layer w0.508: 13.614,24.816 13.614,23.871 C80.2@13.315,23.571 ; TP28.1@14.757,22.682 14.63,22.555 v1(13.868,22.555) 13.538,22.555 13.273,22.82 C80.2@13.273,23.571 C80.2@13.315,23.571 ; L80.2@16.104,24.833 15.435,24.833 14.173,23.571 C80.2@13.315,23.571
  Top Layer w1.016: SW8.6@3.028,8.109 3.028,7.529 4.258,6.299 v1(6.518,6.299)
  Mid-Layer 1 w0.152: v2(10.516,27.432) 12.834,25.114 v2(14.09,25.114)
  Mid-Layer 2 w1.016: v1(6.518,6.299) 7.518,6.299 11.786,10.566 11.786,16.84 13.868,18.923 v1(13.868,22.555)
VBOOST_SRC': D80.1 D81.1 D82.1 D83.1 SW8.5 TP32.1 | length 34.7
  Top Layer w1.016: SW8.5@5.528,8.109 v1(6.576,8.109) ; v1@21.311,29.718 22.022,29.007 25.349,29.007
  Mid-Layer 2 w1.016: v1(6.576,8.109) 7.347,8.109 9.779,10.541 9.779,16.713 11.862,18.796 11.862,22.225 19.291,29.654 v1@21.336,29.654
  other v1: 21.209,29.845
VBUS: C69.2 D80.2 FB61.2 J4.5 Q40.2 R40.1 | length 78.4
  Top Layer w0.254: 11.665,40.329 13.259,38.735 ; R40.1@14.13,36.932 13.665,36.932 13.259,37.338 13.259,38.735 ; Q40.2@14.163,38.735 13.259,38.735
  Top Layer w0.635: v1(23.774,30.836) 23.8,30.81 D80.2@23.8,30.186
  Top Layer w0.762: J4.5@60.325,45.72 v1(61.087,45.72)
  Top Layer w1.016: 4.923,38.011 4.923,39.441 5.811,40.329 6.444,40.329 6.452,40.322 7.251,40.322 7.259,40.329 11.665,40.329 18.206,40.329 v1(18.237,40.361)
  Mid-Layer 2 w0.508: 23.978,38.252 24.206,38.481 24.206,40.894 v1(25.933,42.621) ; v1(30.328,42.621) 50.597,42.621 51.968,43.993 v1(55.651,43.993)
  Mid-Layer 2 w1.016: v1(18.237,40.361) 18.771,39.827 22.403,39.827 23.978,38.252 23.978,37.084 23.114,36.22 23.114,32.614 23.774,31.953 v1(23.774,30.836)
  Bottom Layer w0.508: v1(25.933,42.621) v1(30.328,42.621) ; v1(55.651,43.993) 55.88,43.993 57.545,45.658 61.025,45.658 v1(61.087,45.72)
VBUS_NRF: C21.1 SB80.1 TP38.1 U1.AD2 U22.1 | length 47.6
  Top Layer w0.25: U1.AD2@112.414,34.367 112.414,32.742 C21.1@112.539,32.617 v1@113.053,32.103
  Top Layer w0.508: 86.656,12.878 86.272,12.878 U22.1@85.253,13.898 85.253,14.133 TP38.1@86.36,15.24 86.614,14.986 v1(88.646,14.986)
  Mid-Layer 2 w0.508: v1(106.172,13.894) 111.531,19.253 111.531,27.732 113.055,29.256 v1(113.055,32.106)
  Bottom Layer w0.508: v1(88.646,14.986) 90.678,14.986 91.77,13.894 v1(106.172,13.894)